# KiCad board arena_12-12_v8_ni.kicad_pcb (continued)
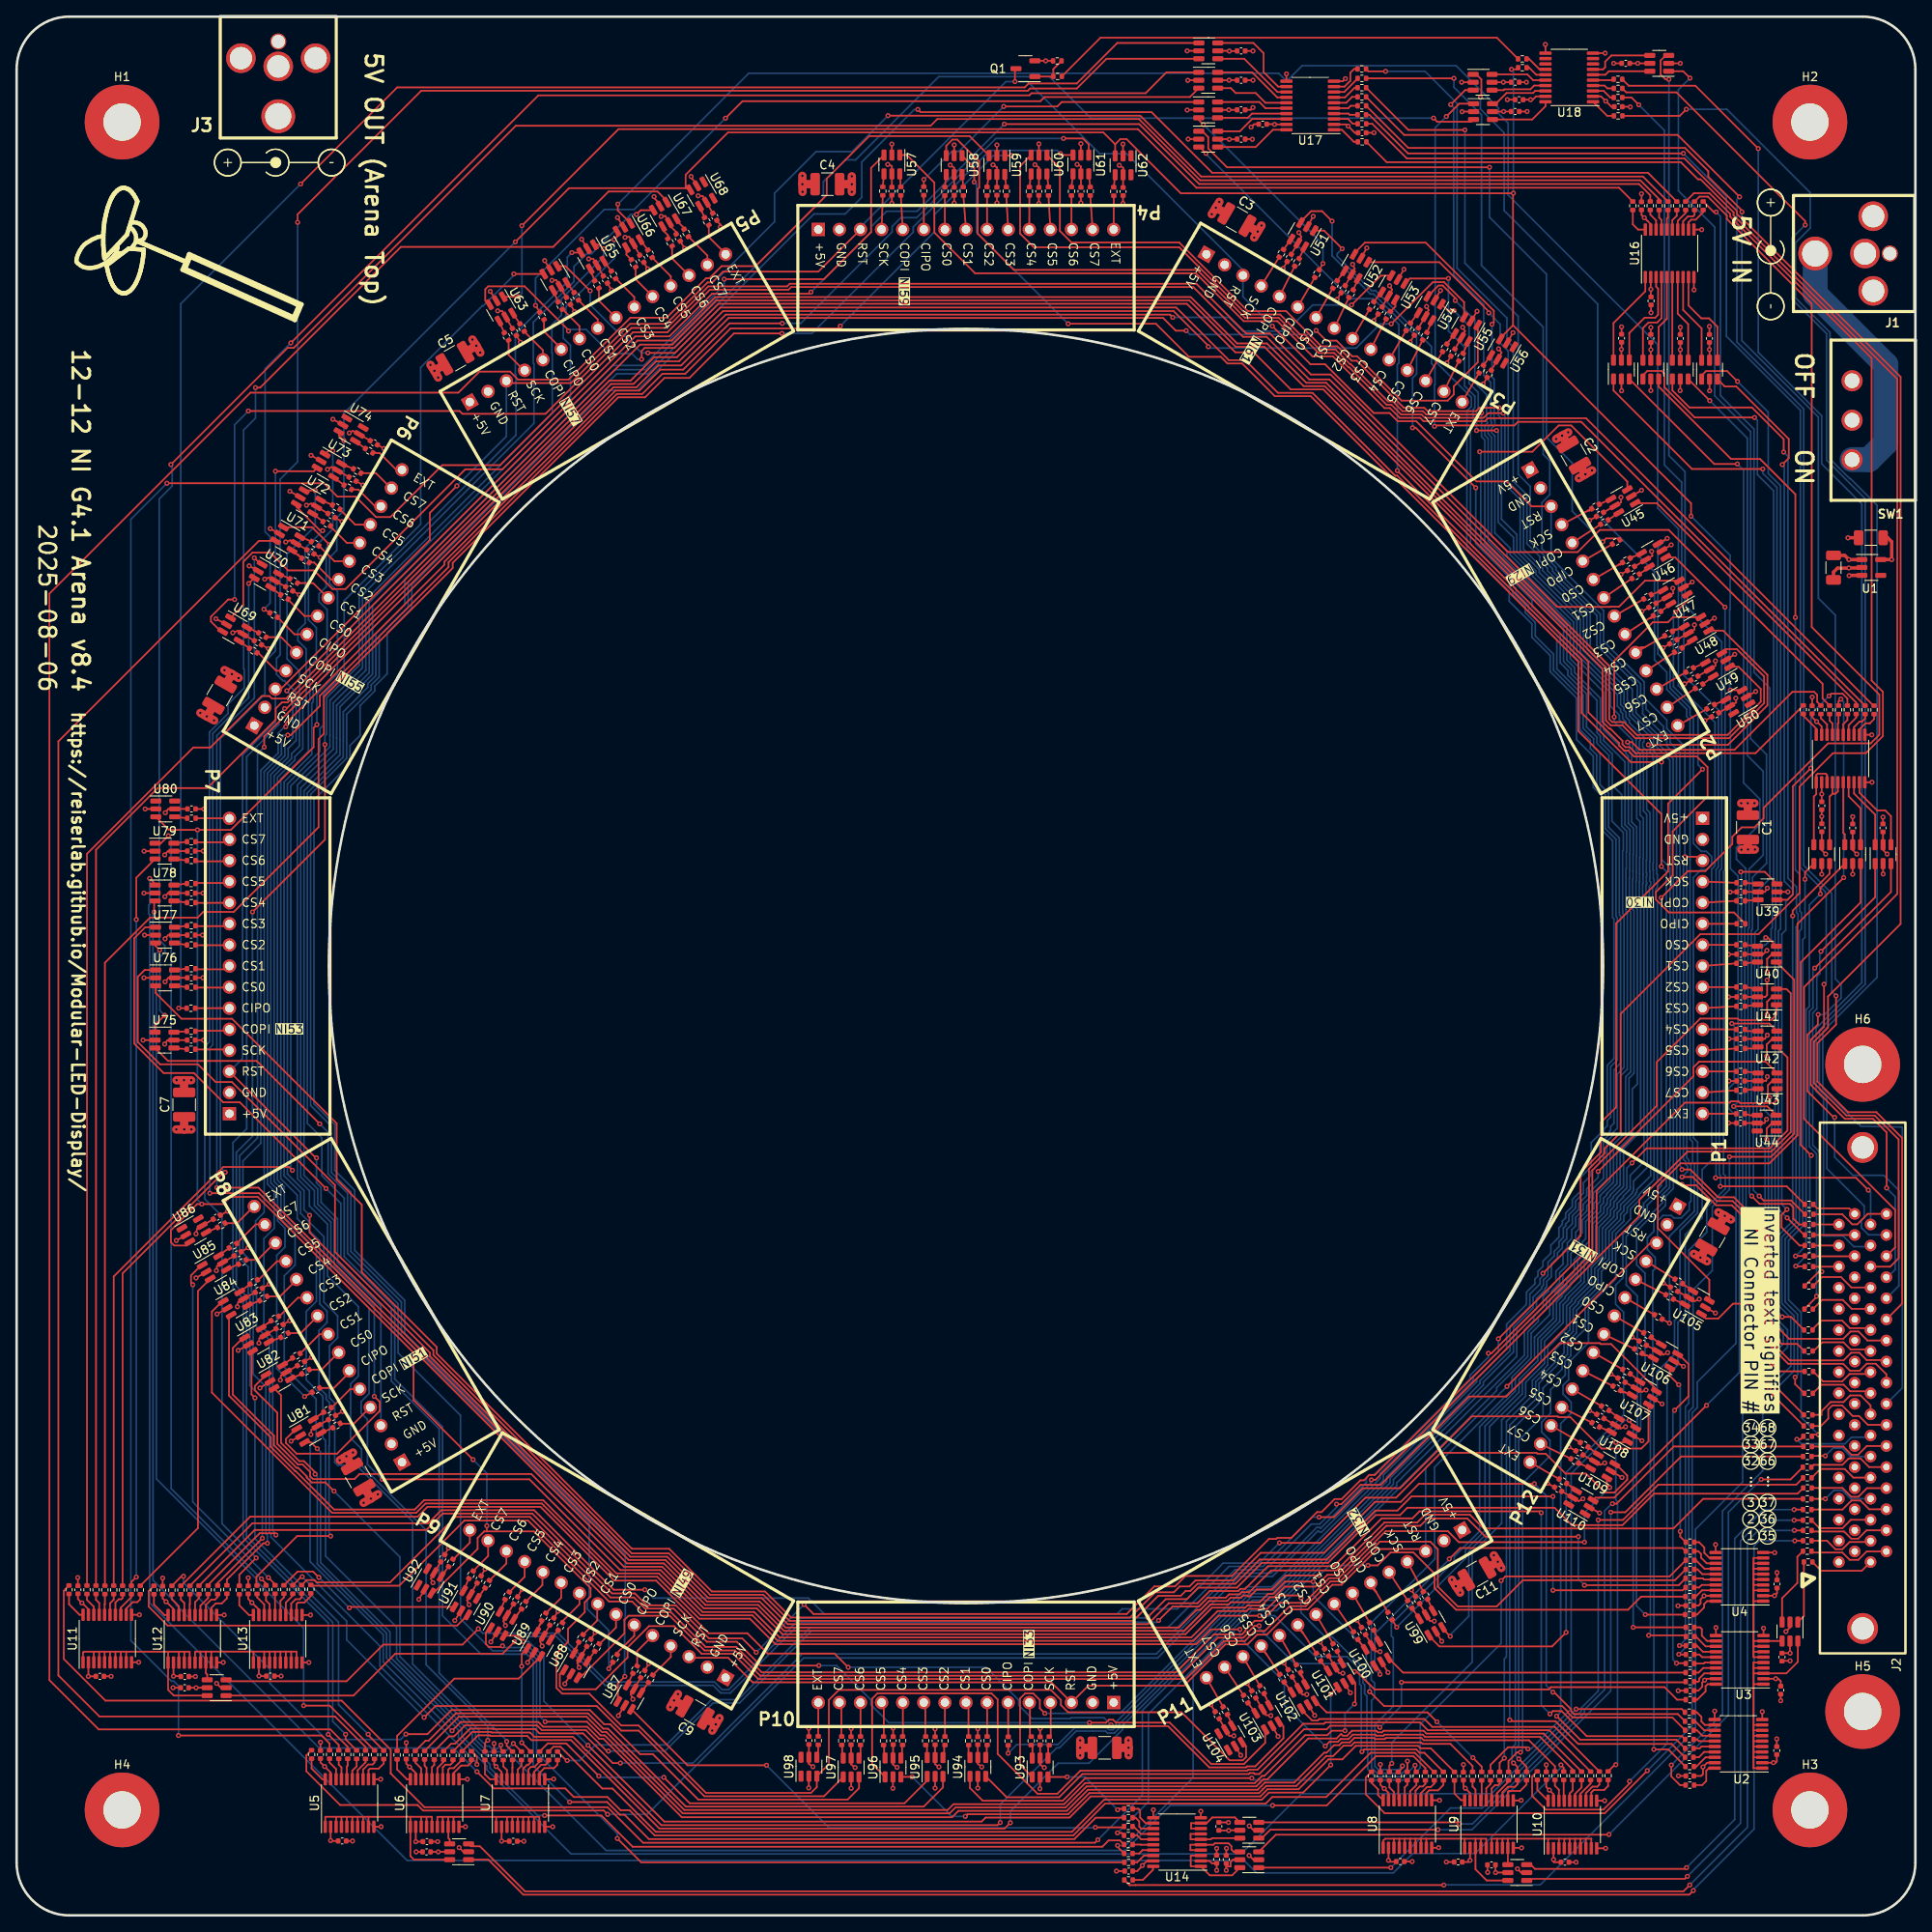
[diagram p0: board, top side]
## Placement (name value [footprint] x y rotation side) (continued)
R164  33  [R_0402_1005Metric]  207.58 122.15 180 top
R165  33  [R_0402_1005Metric]  207.61 119.38 180 top
R166  33  [R_0402_1005Metric]  207.57 116.85 180 top
R167  33  [R_0402_1005Metric]  207.58 114.62 180 top
R168  33  [R_0402_1005Metric]  207.58 111.77 180 top
R169  33  [R_0402_1005Metric]  207.57 109.45 180 top
R170  33  [R_0402_1005Metric]  207.57 106.67 180 top
R171  33  [R_0402_1005Metric]  207.58 104.37 180 top
R172  33  [R_0402_1005Metric]  207.57 101.6 180 top
R173  33  [R_0402_1005Metric]  207.57 99.34 180 top
R174  33  [R_0402_1005Metric]  207.55 96.51 180 top
R175  33  [R_0402_1005Metric]  190.09 169.63 210 top
R176  33  [R_0402_1005Metric]  191.16 167.74 210 top
R177  33  [R_0402_1005Metric]  192.57 165.35 210 top
R178  33  [R_0402_1005Metric]  193.8 163.14 210 top
R179  33  [R_0402_1005Metric]  194.92 161.22 210 top
R180  33  [R_0402_1005Metric]  196.35 158.75 210 top
R181  33  [R_0402_1005Metric]  197.5 156.74 210 top
R182  33  [R_0402_1005Metric]  198.89 154.33 210 top
R183  33  [R_0402_1005Metric]  200.05 152.34 210 top
R184  33  [R_0402_1005Metric]  201.42 149.94 210 top
R185  33  [R_0402_1005Metric]  202.55 147.98 210 top
R186  33  [R_0402_1005Metric]  203.95 145.52 210 top
R187  33  [R_0402_1005Metric]  152.27 200.11 240 top
R188  33  [R_0402_1005Metric]  154.14 199.01 240 top
R189  33  [R_0402_1005Metric]  156.56 197.65 240 top
R190  33  [R_0402_1005Metric]  158.73 196.35 240 top
R191  33  [R_0402_1005Metric]  160.66 195.24 240 top
R192  33  [R_0402_1005Metric]  163.13 193.82 240 top
R193  33  [R_0402_1005Metric]  165.14 192.65 240 top
R194  33  [R_0402_1005Metric]  167.54 191.26 240 top
R195  33  [R_0402_1005Metric]  169.54 190.12 240 top
R196  33  [R_0402_1005Metric]  171.93 188.72 240 top
R197  33  [R_0402_1005Metric]  173.89 187.59 240 top
R198  33  [R_0402_1005Metric]  176.33 186.16 240 top
R199  33  [R_0402_1005Metric]  104.28 207.6 270 top
R200  33  [R_0402_1005Metric]  106.45 207.59 270 top
R201  33  [R_0402_1005Metric]  109.22 207.61 270 top
R202  33  [R_0402_1005Metric]  111.75 207.57 270 top
R203  33  [R_0402_1005Metric]  113.98 207.58 270 top
R204  33  [R_0402_1005Metric]  116.83 207.58 270 top
R205  33  [R_0402_1005Metric]  119.15 207.58 270 top
R206  33  [R_0402_1005Metric]  121.93 207.57 270 top
R207  33  [R_0402_1005Metric]  124.23 207.58 270 top
R208  33  [R_0402_1005Metric]  127 207.57 270 top
R209  33  [R_0402_1005Metric]  129.26 207.57 270 top
R210  33  [R_0402_1005Metric]  132.09 207.55 270 top
R211  33  [R_0402_1005Metric]  58.97 190.09 300 top
R212  33  [R_0402_1005Metric]  60.86 191.16 300 top
R213  33  [R_0402_1005Metric]  63.25 192.57 300 top
R214  33  [R_0402_1005Metric]  65.46 193.8 300 top
R215  33  [R_0402_1005Metric]  67.38 194.92 300 top
R216  33  [R_0402_1005Metric]  69.85 196.35 300 top
R217  33  [R_0402_1005Metric]  71.86 197.5 300 top
R218  33  [R_0402_1005Metric]  74.27 198.89 300 top
R219  33  [R_0402_1005Metric]  76.26 200.05 300 top
R220  33  [R_0402_1005Metric]  78.66 201.42 300 top
R221  33  [R_0402_1005Metric]  80.62 202.55 300 top
R222  33  [R_0402_1005Metric]  83.08 203.95 300 top
R223  33  [R_0402_1005Metric]  28.49 152.27 330 top
R224  33  [R_0402_1005Metric]  29.59 154.14 330 top
R225  33  [R_0402_1005Metric]  30.95 156.56 330 top
R226  33  [R_0402_1005Metric]  32.25 158.73 330 top
R227  33  [R_0402_1005Metric]  33.36 160.66 330 top
R228  33  [R_0402_1005Metric]  34.78 163.13 330 top
R229  33  [R_0402_1005Metric]  35.95 165.14 330 top
R230  33  [R_0402_1005Metric]  37.34 167.54 330 top
R231  33  [R_0402_1005Metric]  38.48 169.54 330 top
R232  33  [R_0402_1005Metric]  39.88 171.93 330 top
R233  33  [R_0402_1005Metric]  41.01 173.89 330 top
R234  33  [R_0402_1005Metric]  42.44 176.33 330 top
R235  33  [R_0402_1005Metric]  21 104.28 0 top
R236  33  [R_0402_1005Metric]  21.02 106.45 0 top
R237  33  [R_0402_1005Metric]  20.99 109.22 0 top
R238  33  [R_0402_1005Metric]  21.03 111.75 0 top
R239  33  [R_0402_1005Metric]  21.02 113.98 0 top
R240  33  [R_0402_1005Metric]  21.02 116.83 0 top
R241  33  [R_0402_1005Metric]  21.03 119.15 0 top
R242  33  [R_0402_1005Metric]  21.03 121.93 0 top
R243  33  [R_0402_1005Metric]  21.02 124.23 0 top
R244  33  [R_0402_1005Metric]  21.03 127 0 top
R245  33  [R_0402_1005Metric]  21.03 129.26 0 top
R246  33  [R_0402_1005Metric]  21.05 132.09 0 top
R247  33  [R_0402_1005Metric]  38.51 58.97 30 top
R248  33  [R_0402_1005Metric]  37.44 60.86 30 top
R249  33  [R_0402_1005Metric]  36.03 63.25 30 top
R250  33  [R_0402_1005Metric]  34.8 65.46 30 top
R251  33  [R_0402_1005Metric]  33.68 67.38 30 top
R252  33  [R_0402_1005Metric]  32.25 69.85 30 top
R253  33  [R_0402_1005Metric]  31.1 71.86 30 top
R254  33  [R_0402_1005Metric]  29.71 74.27 30 top
R255  33  [R_0402_1005Metric]  28.55 76.26 30 top
R256  33  [R_0402_1005Metric]  27.18 78.66 30 top
R257  33  [R_0402_1005Metric]  26.05 80.62 30 top
R258  33  [R_0402_1005Metric]  24.65 83.08 30 top
R259  33  [R_0402_1005Metric]  76.33 28.49 60 top
R260  33  [R_0402_1005Metric]  74.46 29.59 60 top
R261  33  [R_0402_1005Metric]  72.04 30.95 60 top
R262  33  [R_0402_1005Metric]  69.87 32.25 60 top
R263  33  [R_0402_1005Metric]  67.94 33.36 60 top
R264  33  [R_0402_1005Metric]  65.47 34.78 60 top
R265  33  [R_0402_1005Metric]  63.46 35.95 60 top
R266  33  [R_0402_1005Metric]  61.06 37.34 60 top
R267  33  [R_0402_1005Metric]  59.06 38.48 60 top
R268  33  [R_0402_1005Metric]  56.67 39.88 60 top
R269  33  [R_0402_1005Metric]  54.71 41.01 60 top
R270  33  [R_0402_1005Metric]  52.27 42.44 60 top
R271  33  [R_0402_1005Metric]  124.32 21 90 top
R272  33  [R_0402_1005Metric]  122.15 21.02 90 top
R273  33  [R_0402_1005Metric]  119.38 20.99 90 top
R274  33  [R_0402_1005Metric]  116.85 21.03 90 top
R275  33  [R_0402_1005Metric]  114.62 21.02 90 top
R276  33  [R_0402_1005Metric]  111.77 21.02 90 top
R277  33  [R_0402_1005Metric]  109.45 21.03 90 top
R278  33  [R_0402_1005Metric]  106.67 21.03 90 top
R279  33  [R_0402_1005Metric]  104.37 21.02 90 top
R280  33  [R_0402_1005Metric]  101.6 21.03 90 top
R281  33  [R_0402_1005Metric]  99.34 21.03 90 top
R282  33  [R_0402_1005Metric]  96.51 21.05 90 top
R283  33  [R_0402_1005Metric]  169.63 38.51 120 top
R284  33  [R_0402_1005Metric]  167.74 37.44 120 top
R285  33  [R_0402_1005Metric]  165.35 36.03 120 top
R286  33  [R_0402_1005Metric]  163.14 34.8 120 top
R287  33  [R_0402_1005Metric]  161.22 33.68 120 top
R288  33  [R_0402_1005Metric]  158.75 32.25 120 top
R289  33  [R_0402_1005Metric]  156.74 31.1 120 top
R290  33  [R_0402_1005Metric]  154.33 29.71 120 top
R291  33  [R_0402_1005Metric]  152.34 28.55 120 top
R292  33  [R_0402_1005Metric]  149.94 27.18 120 top
R293  33  [R_0402_1005Metric]  147.98 26.05 120 top
R294  33  [R_0402_1005Metric]  145.52 24.65 120 top
R295  33  [R_0402_1005Metric]  200.11 76.33 150 top
R296  33  [R_0402_1005Metric]  199.01 74.46 150 top
R297  33  [R_0402_1005Metric]  197.65 72.04 150 top
R298  33  [R_0402_1005Metric]  196.35 69.87 150 top
R299  33  [R_0402_1005Metric]  195.24 67.94 150 top
R300  33  [R_0402_1005Metric]  193.82 65.47 150 top
R301  33  [R_0402_1005Metric]  192.65 63.46 150 top
R302  33  [R_0402_1005Metric]  191.26 61.06 150 top
R303  33  [R_0402_1005Metric]  190.12 59.06 150 top
R304  33  [R_0402_1005Metric]  188.72 56.67 150 top
R305  33  [R_0402_1005Metric]  187.59 54.71 150 top
R306  33  [R_0402_1005Metric]  186.16 52.27 150 top
R307  20k  [R_0402_1005Metric]  125.29 223.27 0 top
R308  200  [R_0402_1005Metric]  125.32 221.4 0 top
SW1  SW_SPDT  [slide_switch]  223.52 180.01 90 top
U1  AP2112K-3.3  [SOT-23-5]  223.29 162.28 0 top
U2  TXB0108PW  [TSSOP-20_4.4x6.5mm_P0.65mm]  207.3 20.66 180 top
U3  TXB0108PW  [TSSOP-20_4.4x6.5mm_P0.65mm]  207.45 30.77 180 top
U4  TXB0108PW  [TSSOP-20_4.4x6.5mm_P0.65mm]  207.42 40.76 180 top
U5  TXB0108PW  [TSSOP-20_4.4x6.5mm_P0.65mm]  40.08 13.53 90 top
U6  TXB0108PW  [TSSOP-20_4.4x6.5mm_P0.65mm]  50.33 13.53 90 top
U7  TXB0108PW  [TSSOP-20_4.4x6.5mm_P0.65mm]  60.66 13.53 90 top
U8  TXB0108PW  [TSSOP-20_4.4x6.5mm_P0.65mm]  167.44 11 90 top
U9  TXB0108PW  [TSSOP-20_4.4x6.5mm_P0.65mm]  177.26 10.98 90 top
U10  TXB0108PW  [TSSOP-20_4.4x6.5mm_P0.65mm]  187.31 10.94 90 top
U11  TXB0108PW  [TSSOP-20_4.4x6.5mm_P0.65mm]  10.92 33.33 90 top
U12  TXB0108PW  [TSSOP-20_4.4x6.5mm_P0.65mm]  21.16 33.3 90 top
U13  TXB0108PW  [TSSOP-20_4.4x6.5mm_P0.65mm]  31.44 33.3 90 top
U14  TXB0108PW  [TSSOP-20_4.4x6.5mm_P0.65mm]  139.71 8.83 180 top
U15  TXB0108PW  [TSSOP-20_4.4x6.5mm_P0.65mm]  219.59 139.28 90 top
U16  TXB0108PW  [TSSOP-20_4.4x6.5mm_P0.65mm]  199.01 200.1 90 top
U17  TXB0108PW  [TSSOP-20_4.4x6.5mm_P0.65mm]  155.74 217.9 180 top
U18  TXB0108PW  [TSSOP-20_4.4x6.5mm_P0.65mm]  186.93 221.28 180 top
U19  74LVC2G17  [SOT-23-6]  213.5 34.17 270 top
U20  74LVC2G17  [SOT-23-6]  53.27 7.66 180 top
U21  74LVC2G17  [SOT-23-6]  180.67 5.16 180 top
U22  74LVC2G17  [SOT-23-6]  24.08 27.41 180 top
U23  74LVC2G17  [SOT-23-6]  148.4 6.7 180 top
U24  74LVC2G17  [SOT-23-6]  148.41 10.25 180 top
U25  74LVC2G17  [SOT-23-6]  217.32 127.76 90 top
U26  74LVC2G17  [SOT-23-6]  221.05 127.76 90 top
U27  74LVC2G17  [SOT-23-6]  224.71 127.76 90 top
U28  74LVC2G17  [SOT-23-6]  143.46 213.85 0 top
U29  74LVC2G17  [SOT-23-6]  143.46 217.37 0 top
U30  74LVC2G17  [SOT-23-6]  143.46 220.94 0 top
U31  74LVC2G17  [SOT-23-6]  143.47 224.48 0 top
U32  74LVC2G17  [SOT-23-6]  193.2 186.11 90 top
U33  74LVC2G17  [SOT-23-6]  200.3 186.1 90 top
U34  74LVC2G17  [SOT-23-6]  196.75 186.1 90 top
U35  74LVC2G17  [SOT-23-6]  203.81 186.1 90 top
U36  74LVC2G17  [SOT-23-6]  176.55 217.17 0 top
U37  74LVC2G17  [SOT-23-6]  176.5 220.7 0 top
U38  74LVC2G17  [SOT-23-6]  197.76 222.98 180 top
U39  74LVC2G17  [SOT-23-6]  210.8 123.22 180 top
U40  74LVC2G17  [SOT-23-6]  210.73 115.73 180 top
U41  74LVC2G17  [SOT-23-6]  210.74 110.58 180 top
U42  74LVC2G17  [SOT-23-6]  210.79 105.51 180 top
U43  74LVC2G17  [SOT-23-6]  210.8 100.47 180 top
U44  74LVC2G17  [SOT-23-6]  210.7 95.39 180 top
U45  74LVC2G17  [SOT-23-6]  193.41 170.27 210 top
U46  74LVC2G17  [SOT-23-6]  197.09 163.75 210 top
U47  74LVC2G17  [SOT-23-6]  199.68 159.3 210 top
U48  74LVC2G17  [SOT-23-6]  202.26 154.93 210 top
U49  74LVC2G17  [SOT-23-6]  204.78 150.57 210 top
U50  74LVC2G17  [SOT-23-6]  207.24 146.12 210 top
U51  74LVC2G17  [SOT-23-6]  154.82 202.33 240 top
U52  74LVC2G17  [SOT-23-6]  161.28 198.52 240 top
U53  74LVC2G17  [SOT-23-6]  165.74 195.96 240 top
U54  74LVC2G17  [SOT-23-6]  170.16 193.47 240 top
U55  74LVC2G17  [SOT-23-6]  174.53 190.95 240 top
U56  74LVC2G17  [SOT-23-6]  178.88 188.33 240 top
U57  74LVC2G17  [SOT-23-6]  105.38 210.8 270 top
U58  74LVC2G17  [SOT-23-6]  112.87 210.73 270 top
U59  74LVC2G17  [SOT-23-6]  118.02 210.74 270 top
U60  74LVC2G17  [SOT-23-6]  123.09 210.79 270 top
U61  74LVC2G17  [SOT-23-6]  128.13 210.8 270 top
U62  74LVC2G17  [SOT-23-6]  133.21 210.7 270 top
U63  74LVC2G17  [SOT-23-6]  58.33 193.41 300 top
U64  74LVC2G17  [SOT-23-6]  64.85 197.09 300 top
U65  74LVC2G17  [SOT-23-6]  69.3 199.68 300 top
U66  74LVC2G17  [SOT-23-6]  73.67 202.26 300 top
U67  74LVC2G17  [SOT-23-6]  78.03 204.78 300 top
U68  74LVC2G17  [SOT-23-6]  82.48 207.24 300 top
U69  74LVC2G17  [SOT-23-6]  26.27 154.82 330 top
U70  74LVC2G17  [SOT-23-6]  30.08 161.28 330 top
U71  74LVC2G17  [SOT-23-6]  32.64 165.74 330 top
U72  74LVC2G17  [SOT-23-6]  35.13 170.16 330 top
U73  74LVC2G17  [SOT-23-6]  37.65 174.53 330 top
U74  74LVC2G17  [SOT-23-6]  40.27 178.88 330 top
U75  74LVC2G17  [SOT-23-6]  17.8 105.38 0 top
U76  74LVC2G17  [SOT-23-6]  17.87 112.87 0 top
U77  74LVC2G17  [SOT-23-6]  17.86 118.02 0 top
U78  74LVC2G17  [SOT-23-6]  17.81 123.09 0 top
U79  74LVC2G17  [SOT-23-6]  17.8 128.13 0 top
U80  74LVC2G17  [SOT-23-6]  17.9 133.21 0 top
U81  74LVC2G17  [SOT-23-6]  35.19 58.33 30 top
U82  74LVC2G17  [SOT-23-6]  31.51 64.85 30 top
U83  74LVC2G17  [SOT-23-6]  28.92 69.3 30 top
U84  74LVC2G17  [SOT-23-6]  26.34 73.67 30 top
U85  74LVC2G17  [SOT-23-6]  23.82 78.03 30 top
U86  74LVC2G17  [SOT-23-6]  21.36 82.48 30 top
U87  74LVC2G17  [SOT-23-6]  73.78 26.27 60 top
U88  74LVC2G17  [SOT-23-6]  67.32 30.08 60 top
U89  74LVC2G17  [SOT-23-6]  62.86 32.64 60 top
U90  74LVC2G17  [SOT-23-6]  58.44 35.13 60 top
U91  74LVC2G17  [SOT-23-6]  54.07 37.65 60 top
U92  74LVC2G17  [SOT-23-6]  49.72 40.27 60 top
U93  74LVC2G17  [SOT-23-6]  123.22 17.8 90 top
U94  74LVC2G17  [SOT-23-6]  115.73 17.87 90 top
U95  74LVC2G17  [SOT-23-6]  110.58 17.86 90 top
U96  74LVC2G17  [SOT-23-6]  105.51 17.81 90 top
U97  74LVC2G17  [SOT-23-6]  100.47 17.8 90 top
U98  74LVC2G17  [SOT-23-6]  95.39 17.9 90 top
U99  74LVC2G17  [SOT-23-6]  170.27 35.19 120 top
U100  74LVC2G17  [SOT-23-6]  163.75 31.51 120 top
U101  74LVC2G17  [SOT-23-6]  159.3 28.92 120 top
U102  74LVC2G17  [SOT-23-6]  154.93 26.34 120 top
U103  74LVC2G17  [SOT-23-6]  150.57 23.82 120 top
U104  74LVC2G17  [SOT-23-6]  146.12 21.36 120 top
U105  74LVC2G17  [SOT-23-6]  202.33 73.78 150 top
U106  74LVC2G17  [SOT-23-6]  198.52 67.32 150 top
U107  74LVC2G17  [SOT-23-6]  195.96 62.86 150 top
U108  74LVC2G17  [SOT-23-6]  193.47 58.44 150 top
U109  74LVC2G17  [SOT-23-6]  190.95 54.07 150 top
U110  74LVC2G17  [SOT-23-6]  188.33 49.72 150 top

## Library data of the parts
C1-C12 = -: Datasheet: https://www.lcsc.com/datasheet/lcsc_datasheet_2403201122_Chinocera-HGC1210R5107M160NSVK_C7432790.pdf; LCSC Part #: C7432790; MPN: HGC1210R5107M160NSVK; ki_fp_filters: C_*
C13 C14 = -: Datasheet: https://www.lcsc.com/datasheet/lcsc_datasheet_2410121551_TDK-C3216X7R1C106KT000N_C342827.pdf; LCSC Part #: C342827; MPN: C3216X7R1C106KT000N; ki_fp_filters: C_*
C15-C140 = -: Datasheet: https://octopart.com/datasheet/cl05b104ko5nnnc-samsung-9299366; Description: Unpolarized capacitor, small symbol; LCSC Part #: C1525; MPN: CL05B104KO5NNNC; Digikey PN: 1276-1001-2-ND; ki_fp_filters: C_*
H1-H6 = -: ki_fp_filters: MountingHole*Pad*
J1 J3 = -: Datasheet: https://datasheet.octopart.com/PJ-063AH-Same-Sky-datasheet-181917378.pdf; Digikey PN: CP-063AH-ND; LCSC Part #: C2928097; MPN: PJ-063AH; ki_fp_filters: BarrelJack*
J2 = -: Datasheet: https://www.te.com/commerce/DocumentDelivery/DDEController?Action=srchrtrv&DocNm=5174339&DocType=Customer+Drawing&DocLang=English; Description: Generic connector, double row, 02x34, counter clockwise pin numbering scheme (similar to DIP package numbering), script generated (kicad-library-utils/schlib/autogen/connector/); Digikey PN: A123166-ND; LCSC Part #: C5172587; MPN: 5174339-5; ki_fp_filters: Connector*:*_2x??_*
P1-P12 = -: Datasheet: https://www.lcsc.com/datasheet/lcsc_datasheet_2310171757_Bossie-BX-PM2-54-1-15PY_C18078136.pdf; Digikey PN: S7048-ND; LCSC Part #: C18078136; MPN: PPPC151LFBN-RC
Q1 = -: Datasheet: https://www.lcsc.com/datasheet/lcsc_datasheet_2410121631_MATSUKI-ME2306D_C165220.pdf; LCSC Part #: C165220; MPN: ME2306D; FT Rotation Offset: 0
R1-R22 R24-R306 = -: Datasheet: https://www.lcsc.com/datasheet/lcsc_datasheet_2411221126_UNI-ROYAL-Uniroyal-Elec-0402WGF330JTCE_C25105.pdf; Description: Resistor; LCSC Part #: C25105; MPN: 0402WGF330JTCE; ki_fp_filters: R_*
R23 = -: Datasheet: https://www.lcsc.com/datasheet/lcsc_datasheet_2411221126_UNI-ROYAL-Uniroyal-Elec-0402WGF330JTCE_C25105.pdf; Description: Resistor; MPN: 0402WGF330JTCE; LCSC Part #: C25105; ki_fp_filters: R_*
R307 = -: Datasheet: https://www.lcsc.com/datasheet/lcsc_datasheet_2411221126_UNI-ROYAL-Uniroyal-Elec-0402WGF2002TCE_C25765.pdf; LCSC Part #: C25765; MPN: 0402WGF2002TCE; ki_fp_filters: R_*
R308 = -: Datasheet: https://www.lcsc.com/datasheet/lcsc_datasheet_2411221126_UNI-ROYAL-Uniroyal-Elec-0402WGF2000TCE_C25087.pdf; LCSC Part #: C25087; MPN: 0402WGF2000TCE; ki_fp_filters: R_*
SW1 = -: Datasheet: https://datasheet.octopart.com/L102021ML04Q-C%26K-Components-datasheet-62111167.pdf; Digikey PN: CKC5102-ND; LCSC Part #: C2798743; MPN: L102021ML04Q
U1 = -: Datasheet: https://www.diodes.com/assets/Datasheets/AP2112.pdf; Digikey PN: AP2112K-3.3TRG1DICT-ND; LCSC Part #: C51118; MPN: AP2112K-3.3TRG1; ki_fp_filters: SOT?23?5*
U2-U18 = -: Datasheet: https://www.ti.com/lit/gpn/txb0108; Digikey PN: 296-21527-2-ND; LCSC Part #: C53406; MPN: TXB0108PWR
U19-U110 = -: Datasheet: http://www.ti.com/lit/sg/scyt129e/scyt129e.pdf; Description: Dual Buffer Schmitt Triggered, Low-Voltage CMOS; Digikey PN: 296-SN74LVC2G17DBVRTR-ND; LCSC Part #: C10429; MPN: SN74LVC2G17DBVR; FT Rotation Offset: 0; ki_fp_filters: SG-* SOT*

## Footprints (pads in the part's own frame, mm; a bottom-side part is the same pattern mirrored in y, then rotated)
C_0402_1005Metric
  rrect 0.56x0.62 smd: 1(-0.48,0) 2(0.48,0)
C_1206_3216Metric
  rrect 1.15x1.8 smd: 1(-1.475,0) 2(1.475,0)
C_1210_3225Metric
  rrect 1.15x2.7 smd: 1(-1.475,0) 2(1.475,0)
DCJACK_2PIN_HIGHCURRENT
  round 3.556 hole 2.692: (-4.496,-5.004) (4.496,-5.004) 2(0,-5.994)
  round 1.93 hole 1.6: (0,-2.997)
  round 4.064 hole 3.15: 1(0,-11.989)
HEADER_TOP
  rect 1.6x1.6 hole 1.016: 1(-17.78,0)
  round 1.6 hole 1.016: 2(-15.24,0) 3(-12.7,0) 4(-10.16,0) 5(-7.62,0) 6(-5.08,0) 7(-2.54,0) 8(0,0) 9(2.54,0) 10(5.08,0) 11(7.62,0) 12(10.16,0) 13(12.7,0) 14(15.24,0) 15(17.78,0)
MountingHole_4.5mm_Pad
  round 9 hole 4.5: 1(0,0)
R_0402_1005Metric
  rrect 0.54x0.64 smd: 1(-0.51,0) 2(0.51,0)
slide_switch
  round 2.54 hole 1.778: 1(-4.75,2.54) 2(0,2.54) 3(4.75,2.54)
SOT-23-3
  rrect 1.325x0.6 smd: 1(-1.137,0.95) 2(-1.137,-0.95) 3(1.137,0)
SOT-23-5
  rrect 1.325x0.6 smd: 1(-1.137,0.95) 2(-1.137,0) 3(-1.137,-0.95) 4(1.137,-0.95) 5(1.137,0.95)
SOT-23-6
  rrect 1.325x0.6 smd: 1(-1.137,0.95) 2(-1.137,0) 3(-1.137,-0.95) 4(1.137,-0.95) 5(1.137,0) 6(1.137,0.95)
TE_CONN_DSUB_VERT_68
  round 1.4 hole 0.8: 1(-20.955,2.857) 2(-19.685,0.953) 3(-18.415,2.857) 4(-17.145,0.953) 5(-15.875,2.857) 6(-14.605,0.953) 7(-13.335,2.857) 8(-12.065,0.953) 9(-10.795,2.857) 10(-9.525,0.953) 11(-8.255,2.857) 12(-6.985,0.953) 13(-5.715,2.857) 14(-4.445,0.953) 15(-3.175,2.857) 16(-1.905,0.953) 17(-0.635,2.857) 18(0.635,0.953) 19(1.905,2.857) 20(3.175,0.953) 21(4.445,2.857) 22(5.715,0.953) 23(6.985,2.857) 24(8.255,0.953) 25(9.525,2.857) 26(10.795,0.953) 27(12.065,2.857) 28(13.335,0.953) 29(14.605,2.857) 30(15.875,0.953) 31(17.145,2.857) 32(18.415,0.953) 33(19.685,2.857) 34(20.955,0.953) 35(-20.955,-0.953) 36(-19.685,-2.857) 37(-18.415,-0.953) 38(-17.145,-2.857) 39(-15.875,-0.953) 40(-14.605,-2.857) 41(-13.335,-0.953) 42(-12.065,-2.857) 43(-10.795,-0.953) 44(-9.525,-2.857) 45(-8.255,-0.953) 46(-6.985,-2.857) 47(-5.715,-0.953) 48(-4.445,-2.857) 49(-3.175,-0.953) 50(-1.905,-2.857) 51(-0.635,-0.953) 52(0.635,-2.857) 53(1.905,-0.953) 54(3.175,-2.857) 55(4.445,-0.953) 56(5.715,-2.857) 57(6.985,-0.953) 58(8.255,-2.857) 59(9.525,-0.953) 60(10.795,-2.857) 61(12.065,-0.953) 62(13.335,-2.857) 63(14.605,-0.953) 64(15.875,-2.857) 65(17.145,-0.953) 66(18.415,-2.857) 67(19.685,-0.953) 68(20.955,-2.857)
  round 3.7 hole 2.7: 69(-28.955,0) 70(28.955,0)
TSSOP-20_4.4x6.5mm_P0.65mm
  rrect 1.475x0.4 smd: 1(-2.862,2.925) 2(-2.862,2.275) 3(-2.862,1.625) 4(-2.862,0.975) 5(-2.862,0.325) 6(-2.862,-0.325) 7(-2.862,-0.975) 8(-2.862,-1.625) 9(-2.862,-2.275) 10(-2.862,-2.925) 11(2.862,-2.925) 12(2.862,-2.275) 13(2.862,-1.625) 14(2.862,-0.975) 15(2.862,-0.325) 16(2.862,0.325) 17(2.862,0.975) 18(2.862,1.625) 19(2.862,2.275) 20(2.862,2.925)

## Nets
+3.3V: C14.1 C15.1 C16.1 C17.1 C18.1 C19.1 C20.1 C21.1 C22.1 C23.1 C24.1 C25.1 C26.1 C27.1 C34.1 C107.1 C109.1 C111.1 C113.1 C115.1 C117.1 C119.1 C121.1 C123.1 C125.1 C127.1 C129.1 C131.1 C133.1 C135.1 C137.1 C139.1 U1.5 U2.2 U2.10 U3.2 U3.10 U4.2 U4.10 U5.2 U5.10 U6.2 U6.10 U7.2 U7.10 U8.2 U8.10 U9.2 U9.10 U10.2 U10.10 U11.2 U11.10 U12.2 U12.10 U13.2 U13.10 U14.2 U14.10 U15.2 U15.10 U16.2 U16.10 U17.2 U17.10 U18.2 U18.10 U19.5 U20.5 U21.5 U22.5 U23.5 U24.5 U25.5 U26.5 U27.5 U32.5 U33.5 U34.5 U35.5 U38.5
+5V: C1.1 C2.1 C3.1 C4.1 C5.1 C6.1 C7.1 C8.1 C9.1 C10.1 C11.1 C12.1 C13.1 C28.1 C29.1 C30.1 C31.1 C32.1 C33.1 C35.1 C36.1 C37.1 C38.1 C39.1 C40.1 C41.1 C42.1 C43.1 C44.1 C45.1 C46.1 C47.1 C48.1 C49.1 C50.1 C51.1 C52.1 C53.1 C54.1 C55.1 C56.1 C57.1 C58.1 C59.1 C60.1 C61.1 C62.1 C63.1 C64.1 C65.1 C66.1 C67.1 C68.1 C69.1 C70.1 C71.1 C72.1 C73.1 C74.1 C75.1 C76.1 C77.1 C78.1 C79.1 C80.1 C81.1 C82.1 C83.1 C84.1 C85.1 C86.1 C87.1 C88.1 C89.1 C90.1 C91.1 C92.1 C93.1 C94.1 C95.1 C96.1 C97.1 C98.1 C99.1 C100.1 C101.1 C102.1 C103.1 C104.1 C105.1 C106.1 C108.1 C110.1 C112.1 C114.1 C116.1 C118.1 C120.1 C122.1 C124.1 C126.1 C128.1 C130.1 C132.1 C134.1 C136.1 C138.1 C140.1 J3.1 P1.1 P2.1 P3.1 P4.1 P5.1 P6.1 P7.1 P8.1 P9.1 P10.1 P11.1 P12.1 SW1.2 U1.1 U1.3 U2.19 U3.19 U4.19 U5.19 U6.19 U7.19 U8.19 U9.19 U10.19 U11.19 U12.19 U13.19 U14.19 U15.19 U16.19 U17.19 U18.19 U28.5 U29.5 U30.5 U31.5 U36.5 U37.5 U39.5 U40.5 U41.5 U42.5 U43.5 U44.5 U45.5 U46.5 U47.5 U48.5 U49.5 U50.5 U51.5 U52.5 U53.5 U54.5 U55.5 U56.5 U57.5 U58.5 U59.5 U60.5 U61.5 U62.5 U63.5 U64.5 U65.5 U66.5 U67.5 U68.5 U69.5 U70.5 U71.5 U72.5 U73.5 U74.5 U75.5 U76.5 U77.5 U78.5 U79.5 U80.5 U81.5 U82.5 U83.5 U84.5 U85.5 U86.5 U87.5 U88.5 U89.5 U90.5 U91.5 U92.5 U93.5 U94.5 U95.5 U96.5 U97.5 U98.5 U99.5 U100.5 U101.5 U102.5 U103.5 U104.5 U105.5 U106.5 U107.5 U108.5 U109.5 U110.5
GND: C1.2 C2.2 C3.2 C4.2 C5.2 C6.2 C7.2 C8.2 C9.2 C10.2 C11.2 C12.2 C13.2 C14.2 C15.2 C16.2 C17.2 C18.2 C19.2 C20.2 C21.2 C22.2 C23.2 C24.2 C25.2 C26.2 C27.2 C28.2 C29.2 C30.2 C31.2 C32.2 C33.2 C34.2 C35.2 C36.2 C37.2 C38.2 C39.2 C40.2 C41.2 C42.2 C43.2 C44.2 C45.2 C46.2 C47.2 C48.2 C49.2 C50.2 C51.2 C52.2 C53.2 C54.2 C55.2 C56.2 C57.2 C58.2 C59.2 C60.2 C61.2 C62.2 C63.2 C64.2 C65.2 C66.2 C67.2 C68.2 C69.2 C70.2 C71.2 C72.2 C73.2 C74.2 C75.2 C76.2 C77.2 C78.2 C79.2 C80.2 C81.2 C82.2 C83.2 C84.2 C85.2 C86.2 C87.2 C88.2 C89.2 C90.2 C91.2 C92.2 C93.2 C94.2 C95.2 C96.2 C97.2 C98.2 C99.2 C100.2 C101.2 C102.2 C103.2 C104.2 C105.2 C106.2 C107.2 C108.2 C109.2 C110.2 C111.2 C112.2 C113.2 C114.2 C115.2 C116.2 C117.2 C118.2 C119.2 C120.2 C121.2 C122.2 C123.2 C124.2 C125.2 C126.2 C127.2 C128.2 C129.2 C130.2 C131.2 C132.2 C133.2 C134.2 C135.2 C136.2 C137.2 C138.2 C139.2 C140.2 H1.1 H2.1 H3.1 H4.1 H5.1 H6.1 J1.2 J2.1 J2.2 J2.3 J2.69 J2.70 J3.2 P1.2 P2.2 P3.2 P4.2 P5.2 P6.2 P7.2 P8.2 P9.2 P10.2 P11.2 P12.2 Q1.2 R307.1 SW1.3 U1.2 U2.11 U3.11 U4.11 U5.11 U6.11 U7.11 U8.11 U9.11 U10.11 U11.11 U12.11 U13.11 U14.11 U15.11 U16.11 U17.11 U18.11 U19.2 U20.2 U21.2 U22.2 U23.2 U24.2 U25.2 U26.2 U27.2 U28.2 U29.2 U30.2 U31.2 U32.2 U33.2 U34.2 U35.2 U36.2 U37.2 U38.2 U39.2 U40.2 U41.2 U42.2 U43.2 U44.2 U45.2 U46.2 U47.2 U48.2 U49.2 U50.2 U51.2 U52.2 U53.2 U54.2 U55.2 U56.2 U57.2 U58.2 U59.2 U60.2 U61.2 U62.2 U63.2 U64.2 U65.2 U66.2 U67.2 U68.2 U69.2 U70.2 U71.2 U72.2 U73.2 U74.2 U75.2 U76.2 U77.2 U78.2 U79.2 U80.2 U81.2 U82.2 U83.2 U84.2 U85.2 U86.2 U87.2 U88.2 U89.2 U90.2 U91.2 U92.2 U93.2 U94.2 U95.2 U96.2 U97.2 U98.2 U99.2 U100.2 U101.2 U102.2 U103.2 U104.2 U105.2 U106.2 U107.2 U108.2 U109.2 U110.2
/Level Shifters/PAN3V.CS_0: R1.2 U19.1
/Level Shifters/PAN3V.CS_1: R2.2 U19.3
/Level Shifters/PAN3V.CS_2: R3.2 U20.1
/Level Shifters/PAN3V.CS_3: R4.2 U20.3
/Level Shifters/PAN3V.CS_4: R5.2 U21.1
/Level Shifters/PAN3V.CS_5: R6.2 U21.3
/Level Shifters/PAN3V.CS_6: R7.2 U22.1
/Level Shifters/PAN3V.CS_7: R8.2 U22.3
/Level Shifters/PAN3V.EXT_INT: R22.2 U38.1
/Level Shifters/PAN3V.MISO_00: J2.64 R149.2
/Level Shifters/PAN3V.MISO_01: J2.63 R150.2
/Level Shifters/PAN3V.MISO_02: J2.62 R151.2
/Level Shifters/PAN3V.MISO_03: J2.60 R152.2
/Level Shifters/PAN3V.MISO_04: J2.58 R153.2
/Level Shifters/PAN3V.MISO_05: J2.56 R154.2
/Level Shifters/PAN3V.MISO_06: J2.54 R155.2
/Level Shifters/PAN3V.MISO_07: J2.52 R156.2
/Level Shifters/PAN3V.MISO_08: J2.50 R159.1
/Level Shifters/PAN3V.MISO_09: J2.67 R160.1
/Level Shifters/PAN3V.MISO_10: J2.66 R161.1
/Level Shifters/PAN3V.MISO_11: J2.65 R162.1
/Level Shifters/PAN3V.MOSI_00: R24.2 U26.1
/Level Shifters/PAN3V.MOSI_01: R23.2 U26.3
/Level Shifters/PAN3V.MOSI_02: R21.2 U27.1
/Level Shifters/PAN3V.MOSI_03: R20.2 U27.3
/Level Shifters/PAN3V.MOSI_04: R19.2 U32.1
/Level Shifters/PAN3V.MOSI_05: R18.2 U32.3
/Level Shifters/PAN3V.MOSI_06: R17.2 U34.1
/Level Shifters/PAN3V.MOSI_07: R16.2 U34.3
/Level Shifters/PAN3V.MOSI_08: R15.2 U33.1
/Level Shifters/PAN3V.MOSI_09: R27.2 U33.3
/Level Shifters/PAN3V.MOSI_10: R26.2 U35.1
/Level Shifters/PAN3V.MOSI_11: R25.2 U35.3
/Level Shifters/PAN3V.RESET: R28.2 U38.3
/Level Shifters/PAN3V.SCK_0: R9.2 U23.1
/Level Shifters/PAN3V.SCK_1: R10.2 U23.3
/Level Shifters/PAN3V.SCK_2: R11.2 U24.1
/Level Shifters/PAN3V.SCK_3: R12.2 U24.3
/Level Shifters/PAN3V.SCK_4: R13.2 U25.1
/Level Shifters/PAN3V.SCK_5: R14.2 U25.3
/Level Shifters/PAN5V.CS_0_P01: R29.1 U40.3
/Level Shifters/PAN5V.CS_0_P02: R30.1 U46.3
/Level Shifters/PAN5V.CS_0_P03: R31.1 U52.3
/Level Shifters/PAN5V.CS_0_P04: R32.1 U58.3
/Level Shifters/PAN5V.CS_0_P05: R33.1 U64.3
/Level Shifters/PAN5V.CS_0_P06: R34.1 U70.3
/Level Shifters/PAN5V.CS_0_P07: R35.1 U76.3
/Level Shifters/PAN5V.CS_0_P08: R36.1 U82.3
/Level Shifters/PAN5V.CS_0_P09: R37.1 U88.3
/Level Shifters/PAN5V.CS_0_P10: R38.1 U94.3
/Level Shifters/PAN5V.CS_0_P11: R39.1 U100.3
/Level Shifters/PAN5V.CS_0_P12: R40.1 U106.3
/Level Shifters/PAN5V.CS_1_P01: R41.1 U40.1
/Level Shifters/PAN5V.CS_1_P02: R42.1 U46.1
/Level Shifters/PAN5V.CS_1_P03: R43.1 U52.1
/Level Shifters/PAN5V.CS_1_P04: R44.1 U58.1
/Level Shifters/PAN5V.CS_1_P05: R45.1 U64.1
/Level Shifters/PAN5V.CS_1_P06: R46.1 U70.1
/Level Shifters/PAN5V.CS_1_P07: R47.1 U76.1
/Level Shifters/PAN5V.CS_1_P08: R48.1 U82.1
/Level Shifters/PAN5V.CS_1_P09: R49.1 U88.1
/Level Shifters/PAN5V.CS_1_P10: R50.1 U94.1
/Level Shifters/PAN5V.CS_1_P11: R51.1 U100.1
/Level Shifters/PAN5V.CS_1_P12: R52.1 U106.1
/Level Shifters/PAN5V.CS_2_P01: R53.1 U41.3
/Level Shifters/PAN5V.CS_2_P02: R54.1 U47.3
/Level Shifters/PAN5V.CS_2_P03: R55.1 U53.3
/Level Shifters/PAN5V.CS_2_P04: R56.1 U59.3
/Level Shifters/PAN5V.CS_2_P05: R57.1 U65.3
/Level Shifters/PAN5V.CS_2_P06: R58.1 U71.3
/Level Shifters/PAN5V.CS_2_P07: R59.1 U77.3
/Level Shifters/PAN5V.CS_2_P08: R60.1 U83.3
/Level Shifters/PAN5V.CS_2_P09: R61.1 U89.3
/Level Shifters/PAN5V.CS_2_P10: R62.1 U95.3
/Level Shifters/PAN5V.CS_2_P11: R63.1 U101.3
/Level Shifters/PAN5V.CS_2_P12: R64.1 U107.3
/Level Shifters/PAN5V.CS_3_P01: R65.1 U41.1
/Level Shifters/PAN5V.CS_3_P02: R66.1 U47.1
/Level Shifters/PAN5V.CS_3_P03: R67.1 U53.1
/Level Shifters/PAN5V.CS_3_P04: R68.1 U59.1
/Level Shifters/PAN5V.CS_3_P05: R69.1 U65.1
/Level Shifters/PAN5V.CS_3_P06: R70.1 U71.1
/Level Shifters/PAN5V.CS_3_P07: R71.1 U77.1
/Level Shifters/PAN5V.CS_3_P08: R72.1 U83.1
/Level Shifters/PAN5V.CS_3_P09: R73.1 U89.1
/Level Shifters/PAN5V.CS_3_P10: R74.1 U95.1
/Level Shifters/PAN5V.CS_3_P11: R75.1 U101.1
/Level Shifters/PAN5V.CS_3_P12: R76.1 U107.1
/Level Shifters/PAN5V.CS_4_P01: R77.1 U42.3
/Level Shifters/PAN5V.CS_4_P02: R78.1 U48.3
/Level Shifters/PAN5V.CS_4_P03: R79.1 U54.3
/Level Shifters/PAN5V.CS_4_P04: R80.1 U60.3
/Level Shifters/PAN5V.CS_4_P05: R81.1 U66.3
/Level Shifters/PAN5V.CS_4_P06: R82.1 U72.3
/Level Shifters/PAN5V.CS_4_P07: R83.1 U78.3
/Level Shifters/PAN5V.CS_4_P08: R84.1 U84.3
/Level Shifters/PAN5V.CS_4_P09: R85.1 U90.3
/Level Shifters/PAN5V.CS_4_P10: R86.1 U96.3
/Level Shifters/PAN5V.CS_4_P11: R87.1 U102.3
/Level Shifters/PAN5V.CS_4_P12: R88.1 U108.3
/Level Shifters/PAN5V.CS_5_P01: R89.1 U42.1
/Level Shifters/PAN5V.CS_5_P02: R90.1 U48.1
/Level Shifters/PAN5V.CS_5_P03: R91.1 U54.1
/Level Shifters/PAN5V.CS_5_P04: R92.1 U60.1
/Level Shifters/PAN5V.CS_5_P05: R93.1 U66.1
/Level Shifters/PAN5V.CS_5_P06: R94.1 U72.1
/Level Shifters/PAN5V.CS_5_P07: R95.1 U78.1
/Level Shifters/PAN5V.CS_5_P08: R96.1 U84.1
/Level Shifters/PAN5V.CS_5_P09: R97.1 U90.1
/Level Shifters/PAN5V.CS_5_P10: R98.1 U96.1
/Level Shifters/PAN5V.CS_5_P11: R99.1 U102.1
/Level Shifters/PAN5V.CS_5_P12: R100.1 U108.1
/Level Shifters/PAN5V.CS_6_P01: R101.1 U43.3
/Level Shifters/PAN5V.CS_6_P02: R102.1 U49.3
/Level Shifters/PAN5V.CS_6_P03: R103.1 U55.3
/Level Shifters/PAN5V.CS_6_P04: R104.1 U61.3
/Level Shifters/PAN5V.CS_6_P05: R105.1 U67.3
/Level Shifters/PAN5V.CS_6_P06: R106.1 U73.3
/Level Shifters/PAN5V.CS_6_P07: R107.1 U79.3
/Level Shifters/PAN5V.CS_6_P08: R108.1 U85.3
/Level Shifters/PAN5V.CS_6_P09: R109.1 U91.3
/Level Shifters/PAN5V.CS_6_P10: R110.1 U97.3
/Level Shifters/PAN5V.CS_6_P11: R111.1 U103.3
/Level Shifters/PAN5V.CS_6_P12: R112.1 U109.3
/Level Shifters/PAN5V.CS_7_P01: R113.1 U43.1
/Level Shifters/PAN5V.CS_7_P02: R114.1 U49.1
/Level Shifters/PAN5V.CS_7_P03: R115.1 U55.1
/Level Shifters/PAN5V.CS_7_P04: R116.1 U61.1
/Level Shifters/PAN5V.CS_7_P05: R117.1 U67.1
/Level Shifters/PAN5V.CS_7_P06: R118.1 U73.1
/Level Shifters/PAN5V.CS_7_P07: R119.1 U79.1
/Level Shifters/PAN5V.CS_7_P08: R120.1 U85.1
/Level Shifters/PAN5V.CS_7_P09: R121.1 U91.1
/Level Shifters/PAN5V.CS_7_P10: R122.1 U97.1
/Level Shifters/PAN5V.CS_7_P11: R123.1 U103.1
/Level Shifters/PAN5V.CS_7_P12: R124.1 U109.1
/Level Shifters/PAN5V.EXT_INT: R157.1 U44.3 U50.3 U56.3 U62.3 U68.3 U74.3 U80.3 U86.3 U92.3 U98.3 U104.3 U110.3
/Level Shifters/PAN5V.MISO_00: R165.1 U28.3
/Level Shifters/PAN5V.MISO_01: R177.1 U28.1
/Level Shifters/PAN5V.MISO_02: R189.1 U29.3
/Level Shifters/PAN5V.MISO_03: R201.1 U29.1
/Level Shifters/PAN5V.MISO_04: R213.1 U30.3
/Level Shifters/PAN5V.MISO_05: R225.1 U30.1
/Level Shifters/PAN5V.MISO_06: R237.1 U31.1
/Level Shifters/PAN5V.MISO_07: R249.1 U31.3
/Level Shifters/PAN5V.MISO_08: R261.1 U36.3
/Level Shifters/PAN5V.MISO_09: R273.1 U36.1
/Level Shifters/PAN5V.MISO_10: R285.1 U37.3
/Level Shifters/PAN5V.MISO_11: R297.1 U37.1
/Level Shifters/PAN5V.MOSI_00: R137.1 U39.1
/Level Shifters/PAN5V.MOSI_01: R138.1 U45.1
/Level Shifters/PAN5V.MOSI_02: R139.1 U51.1
/Level Shifters/PAN5V.MOSI_03: R140.1 U57.1
/Level Shifters/PAN5V.MOSI_04: R141.1 U63.1
/Level Shifters/PAN5V.MOSI_05: R142.1 U69.1
/Level Shifters/PAN5V.MOSI_06: R143.1 U75.1
/Level Shifters/PAN5V.MOSI_07: R144.1 U81.1
/Level Shifters/PAN5V.MOSI_08: R145.1 U87.1
/Level Shifters/PAN5V.MOSI_09: R146.1 U93.1
/Level Shifters/PAN5V.MOSI_10: R147.1 U99.1
/Level Shifters/PAN5V.MOSI_11: R148.1 U105.1
/Level Shifters/PAN5V.RESET: R158.1 R308.2
/Level Shifters/PAN5V.SCK_0_H1: R125.1 U39.3
/Level Shifters/PAN5V.SCK_0_H2: R126.1 U75.3
/Level Shifters/PAN5V.SCK_1_H1: R127.1 U45.3
/Level Shifters/PAN5V.SCK_1_H2: R128.1 U81.3
/Level Shifters/PAN5V.SCK_2_H1: R129.1 U51.3
/Level Shifters/PAN5V.SCK_2_H2: R130.1 U87.3
/Level Shifters/PAN5V.SCK_3_H1: R131.1 U57.3
/Level Shifters/PAN5V.SCK_3_H2: R132.1 U93.3
/Level Shifters/PAN5V.SCK_4_H1: R133.1 U63.3
/Level Shifters/PAN5V.SCK_4_H2: R134.1 U99.3
/Level Shifters/PAN5V.SCK_5_H1: R135.1 U69.3
/Level Shifters/PAN5V.SCK_5_H2: R136.1 U105.3
/Panel Headers/CS_00_P01: P1.7 R166.2
/Panel Headers/CS_00_P02: P2.7 R178.2
/Panel Headers/CS_00_P03: P3.7 R190.2
/Panel Headers/CS_00_P04: P4.7 R202.2
/Panel Headers/CS_00_P05: P5.7 R214.2
/Panel Headers/CS_00_P06: P6.7 R226.2
/Panel Headers/CS_00_P07: P7.7 R238.2
/Panel Headers/CS_00_P08: P8.7 R250.2
/Panel Headers/CS_00_P09: P9.7 R262.2
/Panel Headers/CS_00_P10: P10.7 R274.2
/Panel Headers/CS_00_P11: P11.7 R286.2
/Panel Headers/CS_00_P12: P12.7 R298.2
/Panel Headers/CS_01_P01: P1.8 R167.2
/Panel Headers/CS_01_P02: P2.8 R179.2
/Panel Headers/CS_01_P03: P3.8 R191.2
/Panel Headers/CS_01_P04: P4.8 R203.2
/Panel Headers/CS_01_P05: P5.8 R215.2
/Panel Headers/CS_01_P06: P6.8 R227.2
/Panel Headers/CS_01_P07: P7.8 R239.2
/Panel Headers/CS_01_P08: P8.8 R251.2
/Panel Headers/CS_01_P09: P9.8 R263.2
/Panel Headers/CS_01_P10: P10.8 R275.2
/Panel Headers/CS_01_P11: P11.8 R287.2
/Panel Headers/CS_01_P12: P12.8 R299.2
/Panel Headers/CS_02_P01: P1.9 R168.2
/Panel Headers/CS_02_P02: P2.9 R180.2
/Panel Headers/CS_02_P03: P3.9 R192.2
/Panel Headers/CS_02_P04: P4.9 R204.2
/Panel Headers/CS_02_P05: P5.9 R216.2
/Panel Headers/CS_02_P06: P6.9 R228.2
/Panel Headers/CS_02_P07: P7.9 R240.2
/Panel Headers/CS_02_P08: P8.9 R252.2
/Panel Headers/CS_02_P09: P9.9 R264.2
/Panel Headers/CS_02_P10: P10.9 R276.2
/Panel Headers/CS_02_P11: P11.9 R288.2
/Panel Headers/CS_02_P12: P12.9 R300.2
/Panel Headers/CS_03_P01: P1.10 R169.2
/Panel Headers/CS_03_P02: P2.10 R181.2
/Panel Headers/CS_03_P03: P3.10 R193.2
/Panel Headers/CS_03_P04: P4.10 R205.2
/Panel Headers/CS_03_P05: P5.10 R217.2
/Panel Headers/CS_03_P06: P6.10 R229.2
/Panel Headers/CS_03_P07: P7.10 R241.2
/Panel Headers/CS_03_P08: P8.10 R253.2
/Panel Headers/CS_03_P09: P9.10 R265.2
/Panel Headers/CS_03_P10: P10.10 R277.2
